# Altium PCB tnb_mns_control.PcbDoc (part 2 of 3)
Units mm, origin at the board's own origin, x right, y up, seen from the top; angles counter-clockwise.
Board outline 165 x 187 mm, 4 copper layers (Top Layer, Int1 (GND), Int2 (PWR), Bottom Layer), stack 1.369 mm thick; 150 components, 152 nets, 724 pads, 366 vias.
Unrouted connection lines stored in the file: 52.
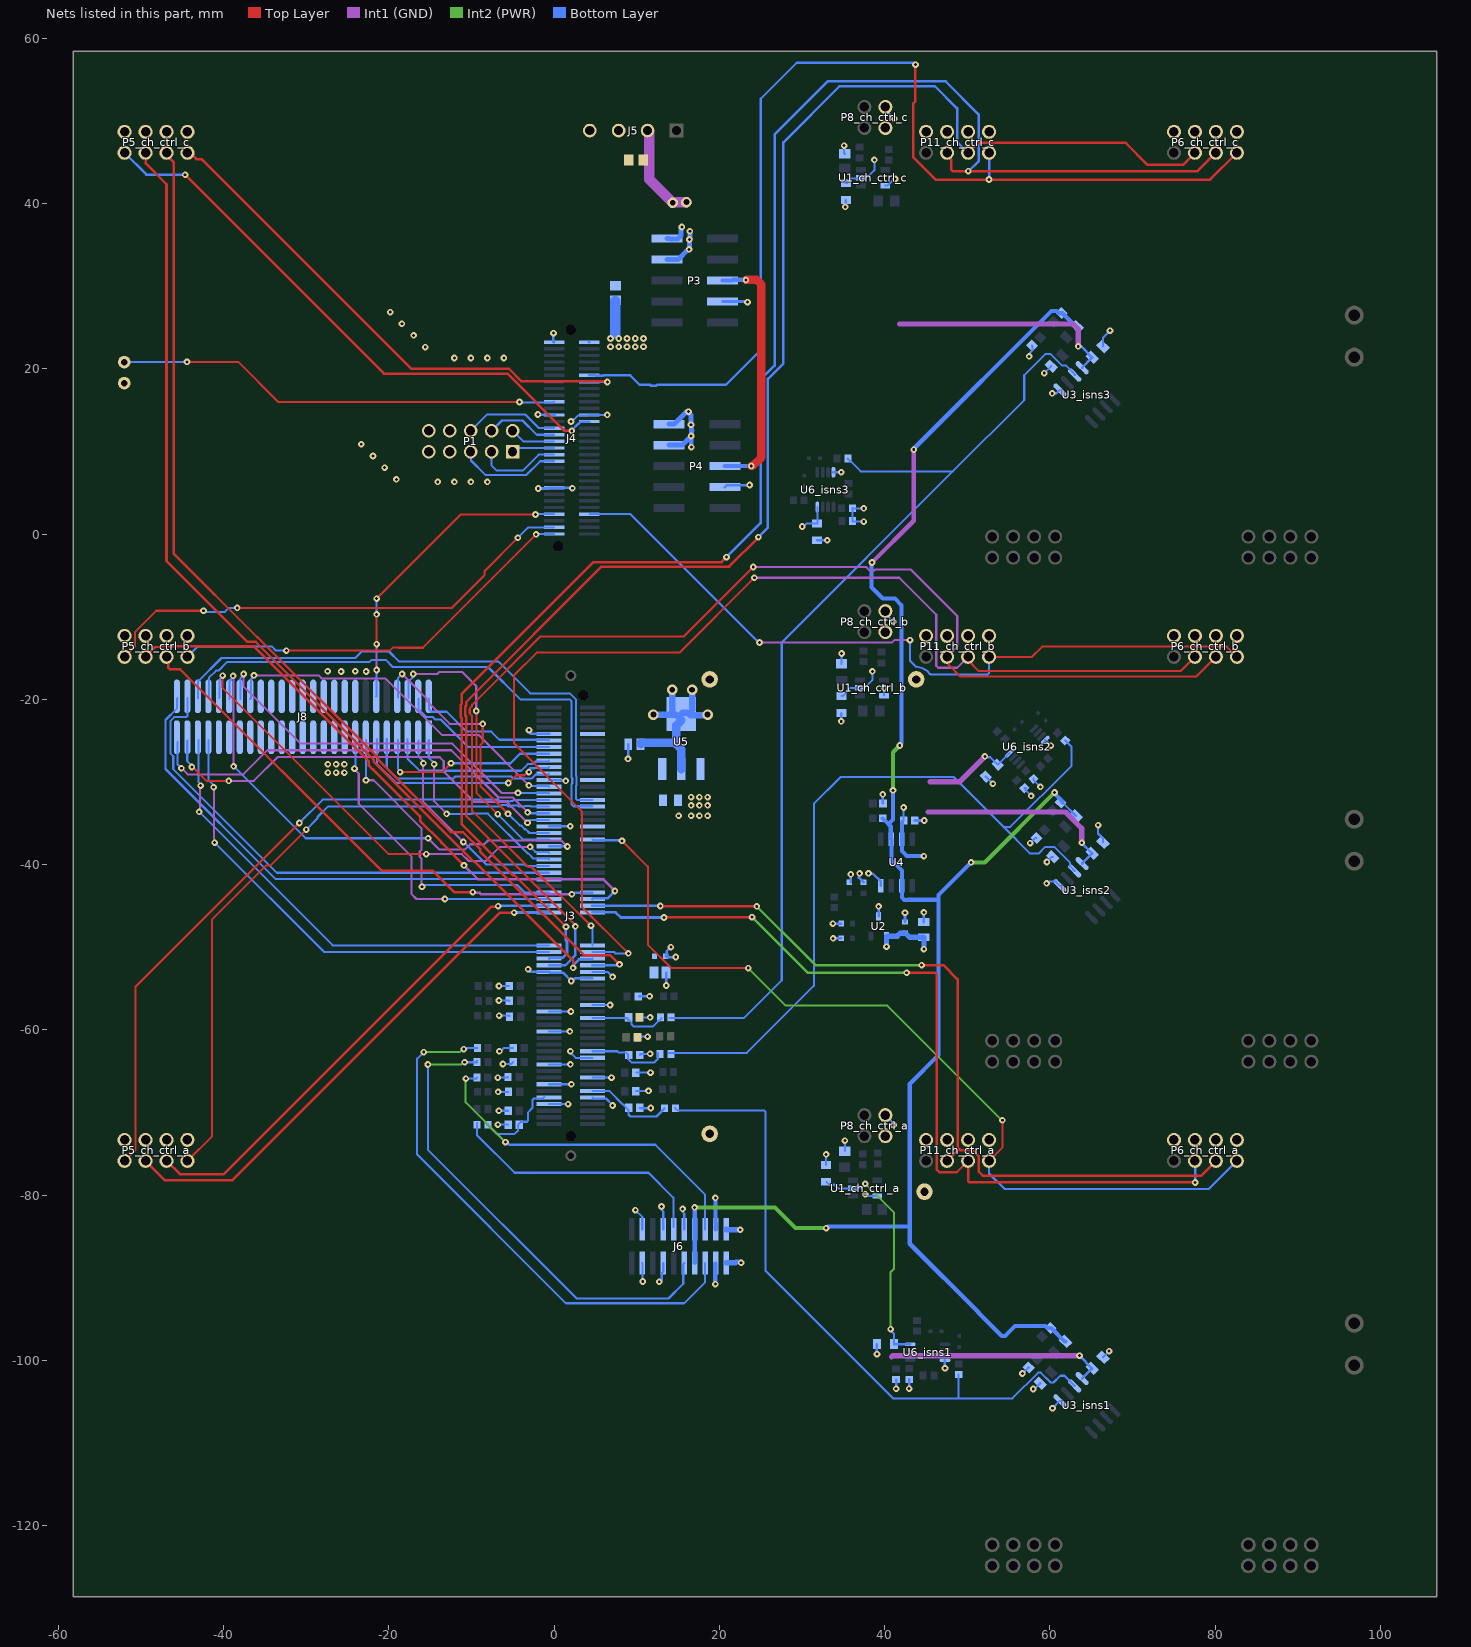
[diagram p4: the nets of this part, all layers, seen from the top]

## Via types
v1: diameter 0.8, hole 0.35, Top Layer to Bottom Layer, 156 vias
v2: diameter 0.8, hole 0.35, Top Layer to Bottom Layer, tented both sides, 149 vias
v3: diameter 1.27, hole 0.711, Top Layer to Bottom Layer, 55 vias
v4: diameter 5, hole 5, Top Layer to Bottom Layer, 6 vias

## Nets (pads, with @x,y where several pads share a name; then routed paths per layer and width w, separated by ;. In a path a pad name is that pad's centre, name@x,y a point inside that pad or via, vN(x,y) a via of type N, cw(c..) or ccw(c..) an arc to the next point about the centre after c; other vN are vias at no path point) (continued)
+3.3: C20.1 J6.3 J6.4 J8.34 J8.35 J8.36 J8.37 J8.38 J8.39 J8.40 J8.41 J8.42 J8.43 P3.6 P4.6 P5_ch_ctrl_a.2 P5_ch_ctrl_a.4 P5_ch_ctrl_b.2 P5_ch_ctrl_b.4 P5_ch_ctrl_c.2 P5_ch_ctrl_c.4 P6_ch_ctrl_a.2 P6_ch_ctrl_a.4 P6_ch_ctrl_b.2 P6_ch_ctrl_b.4 P6_ch_ctrl_c.2 P6_ch_ctrl_c.4 P11_ch_ctrl_a.2 P11_ch_ctrl_a.4 P11_ch_ctrl_b.2 P11_ch_ctrl_b.4 P11_ch_ctrl_c.2 P11_ch_ctrl_c.4 U5.2 U5.4 W1.1 W1.2 W2.1 W2.2 | length 60.7
  Top Layer w1: v1@23.253,30.785 24.498,30.785 25.084,30.199 25.084,9.295 24.022,8.233 v1(23.865,8.233)
  Bottom Layer w0.254: U5.4@16.323,-21.628 U5.4@16.704,-21.247
  Bottom Layer w0.305: J6.4@19.5,-88.262 19.555,-88.207 J6.4@19.555,-88.191
  Bottom Layer w0.508: J6.4@19.5,-88.262 19.5,-90.737 v1(19.525,-90.762) ; v1(19.525,-80.337) 19.55,-80.362 19.55,-83.337 19.555,-83.342 J6.3@19.555,-84.127 ; P3.6@20.39,30.683 21.54,30.683 21.64,30.783 23.182,30.783 v1(23.216,30.748) ; P4.6@20.66,8.223 20.665,8.228 23.86,8.228 v1(23.865,8.233)
  Bottom Layer w0.762: v3(12.008,-21.853) 14.715,-21.853 U5.4@15.391,-22.529 ; U5.4@14.291,-21.501 v3(14.291,-18.834) ; U5.4@15.403,-21.779 15.403,-21.765 15.532,-21.636 16.095,-21.636 U5.4@16.42,-21.872 ; U5.4@16.42,-21.872 16.525,-21.949 16.534,-21.941 18.471,-21.941 v3(18.568,-21.843) ; U5.4@16.704,-21.247 v3(16.704,-18.834)
  Bottom Layer w1.016: C20.1@10.469,-25.438 10.469,-25.304 10.502,-25.271 11.063,-25.271 11.064,-25.27 14.799,-25.27 ; U5.4@15.391,-22.529 15.403,-22.541 14.799,-23.145 14.799,-25.438 15.403,-26.042 U5.2@15.403,-28.441
  other v1: -25.773,-16.636 -22.74,-16.636 -27.414,-16.608 -24.062,-16.608
+3ref: C1_isns1.2 C1_isns2.2 C1_isns3.2 C4.1 J6.7 J6.8 R5_isns1.2 R5_isns2.2 R5_isns3.2 U4.2 U4.6 | length 218.6
  Int1 (GND) w0.508: v2(38.472,-3.442) 43.525,1.611 v2(43.525,10.213)
  Int2 (PWR) w0.508: v1(17.013,-81.478) 17.023,-81.487 26.725,-81.487 29.225,-83.987 v1(32.925,-83.987) ; v2(41.012,-31.026) 41.012,-26.4 v2(41.825,-25.587) ; v2(50.461,-39.738) 52.116,-39.738 v2(60.58,-31.274)
  Bottom Layer w0.254: R5_isns2.2@61.54,-32.497 C1_isns2.2@63.161,-34.118
  Bottom Layer w0.508: v1@17.014,-81.479 17.014,-84.877 17.025,-84.887 17.015,-84.897 J6.8@17.015,-88.191 ; v1(32.925,-83.987) 33.125,-83.787 43.044,-83.787 ; v2(38.472,-3.442) 38.396,-3.518 38.396,-6.439 39.768,-7.81 41.241,-7.81 42.054,-8.623 42.054,-25.359 v2(41.825,-25.587) ; C4.1@39.764,-34.411 40.461,-35.108 ; v2(41.012,-31.026) 41.012,-34.557 40.461,-35.108 ; v2(43.525,10.213) 43.581,10.269 43.581,10.389 60.18,26.988 60.808,26.988 61.068,26.728 61.536,26.728 63.165,25.1 C1_isns3.2@63.285,25.1 ; v2(50.461,-39.738) 46.524,-43.675 46.524,-44.259 ; v2(60.58,-31.274) 60.636,-31.33 60.636,-31.477 61.54,-32.381 R5_isns2.2@61.54,-32.497 ; C1_isns1.2@61.889,-97.705 61.779,-97.705 60.168,-96.095 R5_isns1.2@60.058,-96.095 59.71,-96.095 59.449,-95.834 55.792,-95.834 54.588,-97.038 54.167,-97.038 51.393,-94.264 51.393,-94.227 43.044,-85.878 43.044,-83.787 ; 40.461,-35.108 40.744,-35.391 40.744,-36.849 U4.6@40.815,-36.92 40.815,-39.593 41.112,-39.891 41.241,-39.891 42.085,-40.735 U4.2@42.085,-42.57 42.085,-43.999 42.382,-44.297 42.803,-44.297 42.841,-44.259 46.524,-44.259 ; 43.044,-83.787 43.044,-66.545 46.524,-63.065 46.524,-44.259
+5: C12.2 C14.2 C19.2 J3.48 J3.84 J3.98 J3.112 J4.38 J4.60 J5.4 R7.1 U5.3 | length 7.6
  Bottom Layer w0.254: v1(2.039,13.618) 2.156,13.618 2.875,14.337 4.196,14.337 J4.38@4.273,14.414 5.324,14.414 5.35,14.388 6.39,14.388 v1(6.43,14.428) ; J4.60@4.175,23.291 4.251,23.215 J4.60@4.273,23.215 J4.60@4.221,23.163 ; J3.48@4.643,-52.982 6.47,-52.982 v1(7.075,-53.587)
  other v1: -14.075,6.313 -12.075,6.313 -10.075,6.313 -8.075,6.313 -19.091,6.623 -20.505,8.038 -21.919,9.452 -23.334,10.866 -12.075,21.313 -10.075,21.313 -8.075,21.313 -6.075,21.313 -15.591,22.623 -17.005,24.038 -18.419,25.452 -19.834,26.866
+5A: c5.1 C9.2 C10.1 C11_ch_ctrl_a.1 C11_ch_ctrl_b.1 C11_ch_ctrl_c.1 C13_isns1.1 C13_isns2.1 C13_isns3.1 C24_isns1.2 C24_isns2.2 C24_isns3.2 J6.1 J6.2 P8_ch_ctrl_a.4 P8_ch_ctrl_b.4 P8_ch_ctrl_c.4 R7.2 U1_ch_ctrl_a.2 U1_ch_ctrl_b.2 U1_ch_ctrl_c.2 U2.1 U3_isns1.8 U3_isns2.8 U3_isns3.8 U4.7 U6_isns1.8 U6_isns2.8 U6_isns3.8 | length 158
  Int1 (GND) w0.635: 40.825,-99.587 40.989,-99.424 v2(63.587,-99.424) ; 41.825,25.413 62.825,25.413 63.43,24.808 v2(63.43,22.712) ; 45.277,-33.645 61.883,-33.645 63.849,-35.612 v2(63.849,-37.361) ; 45.525,-29.987 49.041,-29.987 v2(52.127,-26.902)
  Int2 (PWR) w0.254: v2(37.659,-78.626) 41.157,-82.123 41.157,-88.883 40.734,-89.307 v2(40.734,-96.215)
  Bottom Layer w0.254: v2(30.025,0.913) 30.173,0.913 30.562,1.302 C13_isns3.1@31.842,1.302 31.857,1.317 U6_isns3.8@31.857,3.282 ; C11_ch_ctrl_a.1@32.948,-78.394 33.299,-78.745 33.935,-78.745 34.374,-79.184 36.134,-79.184 U1_ch_ctrl_a.2@36.159,-79.159 36.184,-79.134 37.151,-79.134 v2(37.659,-78.626) ; C11_ch_ctrl_b.1@34.789,-19.612 34.914,-19.612 35.678,-18.848 35.678,-18.754 35.827,-18.605 U1_ch_ctrl_b.2@36.997,-18.605 37.195,-18.407 37.772,-18.407 38.51,-17.67 v2(38.51,-16.624) ; C11_ch_ctrl_c.1@35.297,42.491 35.422,42.491 35.773,42.842 35.773,42.897 35.922,43.046 37.054,43.046 U1_ch_ctrl_c.2@37.124,43.117 37.322,43.315 38.035,43.315 38.753,44.032 v2(38.753,45.283) ; v2(40.734,-96.215) 40.734,-96.362 41.123,-96.752 C13_isns1.1@41.123,-98.031 41.138,-98.047 U6_isns1.8@43.103,-98.047 ; c5.1@42.085,-34.879 c5.1@42.299,-34.665 v2(42.299,-33.088) ; v2(52.127,-26.902) 52.231,-27.006 52.781,-27.006 C13_isns2.1@53.686,-27.911 53.708,-27.911 U6_isns2.8@55.098,-26.522
  Bottom Layer w0.305: v2(63.43,22.712) 63.469,22.673 63.815,22.673 C24_isns3.2@65.118,21.37 65.118,21.343 U3_isns3.8@63.905,20.129 ; v2(63.587,-99.424) C24_isns1.2@65.118,-100.955 65.118,-100.982 U3_isns1.8@63.905,-102.196 ; v2(63.849,-37.361) C24_isns2.2@65.118,-38.63 65.118,-38.657 U3_isns2.8@63.905,-39.871
  Bottom Layer w0.508: c5.1@42.085,-34.879 U4.7@42.085,-36.92 42.085,-38.372 42.688,-38.976 v2(44.753,-38.976)
  Bottom Layer w0.635: J6.2@20.825,-88.191 21.921,-88.191 22.025,-88.087 22.525,-88.087 v1(22.625,-88.187) ; J6.1@20.825,-84.127 20.825,-84.18 20.833,-84.187 22.523,-84.187 v1(22.528,-84.192) ; v2(40.228,-49.92) U2.1@40.228,-48.663 41.515,-48.663 41.877,-48.301 42.458,-48.301 C10.1@42.466,-48.294 42.491,-48.294 42.995,-48.798 C9.2@44.752,-48.798 v2(44.752,-50.222)
  Bottom Layer w1.27: R7.2@7.399,28.183 7.411,28.171 7.411,24.289
  other v2: 6.825,22.663 7.825,22.663 8.825,22.663 9.825,22.663 10.825,22.663 6.825,23.663 7.825,23.663 8.825,23.663 9.825,23.663 10.825,23.663
+12: J5.2 P3.7 P3.9 P4.7 P4.9 | length 30.8
  Int1 (GND) w1.27: J5.2@11.315,48.833 11.315,48.73 11.515,48.53 11.515,42.943 v3(14.361,40.097) 14.447,40.183 v3(16.015,40.183)
  Bottom Layer w0.6: P3.7@13.64,33.223 15.015,33.223 16.25,34.458 v1(16.34,34.458) 16.363,34.481 v1(16.363,35.642) 16.438,35.717 v1(16.438,36.642) ; P3.9@13.64,35.763 13.935,35.763 14.015,35.683 14.935,35.683 15.363,36.11 15.363,37.055 v1(15.465,37.158) ; P4.7@13.91,10.763 15.485,10.763 v1(16.585,11.863) ; P4.9@13.91,13.303 14.51,13.303 16.027,14.819 v1@16.146,14.819 ; v1(16.264,14.819) v1@16.146,14.819 ; v1(16.613,10.517) 16.599,10.531 16.599,11.849 v1(16.585,11.863) ; v1@16.146,14.819 16.146,14.812 16.564,14.393 v1(16.564,13.23) 16.62,13.174 16.62,12.569 16.671,12.517 16.641,12.487 16.641,11.919 v1(16.585,11.863)
AGND: "10nF 0603_isns1.1" "10nF 0603_isns2.1" "10nF 0603_isns3.1" C2_isns1.1 C2_isns2.1 C2_isns3.1 C3.1 c5.2 C6.1 C7.1 C8.1 C9.1 C10.2 C11_ch_ctrl_a.2 C11_ch_ctrl_b.2 C11_ch_ctrl_c.2 C13_isns1.2 C13_isns2.2 C13_isns3.2 C15.1 C16.1 C17.1 C18.1 C21.1 C22.1 C23.1 C24_isns1.1 C24_isns2.1 C24_isns3.1 C25.1 C26.1 C27.1 C28.1 C29.1 C30.1 C31.1 C32.1 C33.1 C34.1 C35.1 J3.7 J3.10 J3.13 J3.16 J3.19 J3.22 J3.29 J3.35 J3.38 J6.9 J6.13 J6.14 J6.17 J6.18 P8_ch_ctrl_a.1 P8_ch_ctrl_b.1 P8_ch_ctrl_c.1 R4_ch_ctrl_a.1 R4_ch_ctrl_b.1 R4_ch_ctrl_c.1 R6_isns1.1 R6_isns2.1 R6_isns3.1 R9.1 R16_isns1.1 R16_isns2.1 R16_isns3.1 R33.2 U1_ch_ctrl_a.5 U1_ch_ctrl_b.5 U1_ch_ctrl_c.5 U2.3 U3_isns1.5 U3_isns2.5 U3_isns3.5 U4.4 U6_isns1.4 U6_isns2.4 U6_isns3.4 | length 119
  Top Layer w0.254: v2(2.086,-66.582) v2@2.226,-66.722 ; v2@60.195,-105.785 v2(60.316,-105.785)
  Bottom Layer w0.254: v1(-6.817,-65.775) -5.64,-65.775 C34.1@-5.576,-65.711 ; v1(-6.802,-71.472) -5.585,-71.472 C16.1@-5.571,-71.486 ; v1(-6.778,-67.511) -5.53,-67.511 C21.1@-5.515,-67.496 ; v1(-6.677,-69.787) C17.1@-5.567,-69.787 ; v1(-6.677,-56.452) -5.441,-56.452 C25.1@-5.407,-56.486 ; v1(-6.675,-54.687) -6.63,-54.643 -6.42,-54.643 -6.375,-54.687 C26.1@-5.45,-54.687 ; v1(-6.659,-58.281) -5.44,-58.281 C23.1@-5.397,-58.323 ; v1(-6.624,-62.582) -6.476,-62.582 -6.081,-62.187 C33.1@-4.95,-62.187 ; v1(-6.193,-64.125) -5.188,-64.125 C35.1@-4.95,-63.887 ; J3.7@-0.607,-68.982 v2(1.696,-68.982) ; J3.13@-0.607,-66.582 v2(2.086,-66.582) ; J3.19@-0.607,-64.182 v2(1.968,-64.182) ; J3.29@-0.607,-60.182 v2(1.909,-60.182) ; J3.35@-0.607,-57.782 v2(2.023,-57.782) ; v1(1.975,-62.583) 1.975,-62.738 2.62,-63.382 J3.22@4.643,-63.382 ; J3.10@4.643,-68.182 4.766,-68.305 6.279,-68.305 7.083,-69.109 v2(7.083,-69.156) ; J3.16@4.643,-65.782 v2(6.951,-65.782) ; J3.38@4.643,-56.982 4.648,-56.987 6.776,-56.987 v2(6.781,-56.993) ; v1(9.842,-81.811) 10.665,-82.634 J6.17@10.665,-84.127 ; C22.1@9.942,-67.381 v2(11.422,-67.381) ; C18.1@9.963,-65.173 v2(11.67,-65.173) ; C28.1@10.046,-60.928 10.161,-60.812 v2(11.312,-60.812) ; C31.1@10.253,-55.927 10.26,-55.935 v2(11.566,-55.935) ; C15.1@10.359,-69.434 10.472,-69.434 10.525,-69.487 11.661,-69.487 v1(11.696,-69.452) ; C30.1@10.359,-58.475 10.513,-58.475 10.525,-58.487 v1(11.625,-58.487) ; C27.1@10.378,-63.035 10.505,-62.908 11.605,-62.908 v1(11.625,-62.887) ; J6.18@10.665,-88.191 10.698,-88.224 10.698,-90.415 v1(10.73,-90.447) ; v1(12.725,-90.487) 12.825,-90.487 13.025,-90.287 13.025,-89.449 13.087,-89.387 13.125,-89.387 13.205,-89.307 J6.14@13.205,-88.191 ; v1(12.992,-81.382) 12.992,-81.755 13.205,-81.967 J6.13@13.205,-84.127 ; v1(15.56,-81.658) 15.56,-82.022 15.745,-82.207 J6.9@15.745,-84.127 ; C11_ch_ctrl_a.2@32.928,-76.334 v2(32.928,-75.073) ; v2(34.745,-22.674) 34.745,-21.707 C11_ch_ctrl_b.2@34.789,-21.662 ; R4_ch_ctrl_b.1@34.789,-15.698 v2(34.789,-14.453) ; v2(35.092,47.013) 35.092,46.102 R4_ch_ctrl_c.1@35.17,46.024 ; R4_ch_ctrl_a.1@35.181,-74.663 v2(35.181,-73.398) ; v2(35.24,39.587) 35.289,39.635 35.289,39.806 35.297,39.815 C11_ch_ctrl_c.2@35.297,40.441 ; v1(37.471,3.102) 36.144,3.102 36.098,3.147 36.098,1.598 R16_isns3.1@36.124,1.572 36.183,1.513 v1(37.475,1.513) ; v2(37.646,-79.88) 37.715,-79.88 37.944,-80.109 U1_ch_ctrl_a.5@39.109,-80.109 ; v2(39.768,-31.509) 39.768,-32.576 R9.1@39.801,-32.609 ; U1_ch_ctrl_b.5@39.947,-19.555 v2(39.947,-18.634) ; U1_ch_ctrl_c.5@40.074,42.167 40.349,42.167 41.152,42.969 v2(41.268,42.969) ; P8_ch_ctrl_a.1@40.09,-70.322 41.071,-71.303 v2(41.071,-71.512) ; P8_ch_ctrl_b.1@40.095,-9.317 40.095,-9.637 v2(41.06,-10.602) ; P8_ch_ctrl_c.1@40.095,51.683 40.095,51.366 v2(41.184,50.277) ; v2(56.677,-101.583) 57.381,-100.88 R6_isns1.1@57.438,-100.88 ; R16_isns2.1@56.905,-30.748 57.086,-30.748 57.125,-30.787 57.056,-30.856 57.056,-31.018 v1(57.725,-31.687) ; v2(57.48,21.508) 57.585,21.612 57.585,21.956 57.875,22.247 57.875,22.774 R6_isns3.1@57.84,22.81 ; v2(57.602,-37.396) 58.208,-36.789 R6_isns2.1@58.38,-36.789 ; v2(57.98,-103.464) 58.029,-103.416 58.179,-103.416 C2_isns1.1@58.834,-102.761 ; 58.001,-29.616 58.001,-29.75 v1(58.847,-30.596) ; v2(59.316,19.477) C2_isns3.1@60.162,20.323 ; v2(59.605,-42.278) 59.674,-42.278 59.882,-42.07 60.716,-42.07 U3_isns2.5@61.211,-42.565 ; v2(59.634,-39.682) 60.246,-39.07 C2_isns2.1@60.343,-39.07 ; v2(60.289,17.028) 60.804,17.028 U3_isns3.5@61.211,17.435 ; v2(60.316,-105.785) U3_isns1.5@61.211,-104.89 ; v2(65.828,-35.217) 65.828,-36.231 66.426,-36.83 C24_isns2.1@66.426,-37.322 ; C24_isns1.1@66.426,-99.647 66.426,-99.606 v2(67.161,-98.872) ; C24_isns3.1@66.426,22.678 66.426,23.775 v2(67.277,24.626)
  Bottom Layer w0.305: C13_isns3.2@31.842,-0.748 v2(33.052,-0.748) ; v2(33.745,-47.143) C8.1@34.769,-47.143 ; v2(33.77,-48.921) C6.1@34.769,-48.921 ; U6_isns3.4@33.807,7.482 v2(34.754,7.482) ; C3.1@35.906,-42.116 v2(35.906,-41.187) ; v2(36.982,-41.061) 36.982,-41.116 36.889,-41.209 36.889,-41.575 37.43,-42.116 C7.1@37.455,-42.116 ; v2(38.042,-41.067) 38.081,-41.106 38.581,-41.106 39.545,-42.07 U4.4@39.545,-42.57 ; v2(39.073,-99.241) C13_isns1.2@39.073,-98.031 ; U2.3@39.278,-46.263 v2(39.278,-45.049) ; v2(41.393,-103.431) R16_isns1.1@41.393,-102.313 ; C10.2@42.466,-46.944 v2(42.466,-45.831) ; v2(42.968,-103.416) 42.968,-102.288 ; c5.2@43.649,-34.665 v2(44.799,-34.665) ; C9.1@44.752,-46.948 v2(44.752,-45.78) ; v2(47.303,-100.944) U6_isns1.4@47.303,-99.997 ; C13_isns2.2@52.237,-29.361 v2(53.092,-30.216) ; U6_isns2.4@59.446,-24.931 v2(60.116,-25.6)
brdg_en_cha: J3.80 P6_ch_ctrl_a.1 P11_ch_ctrl_a.1 | length 108.7
  Top Layer w0.254: v2(8.221,-37.131) 11.345,-40.256 11.345,-49.679 14.203,-52.537 23.493,-52.537 v2(23.497,-52.533) ; P11_ch_ctrl_a.1@52.864,-75.883 52.838,-75.857 P11_ch_ctrl_a.1@52.635,-75.857 54.246,-74.247 v2(54.246,-70.939)
  Int2 (PWR) w0.254: v2(23.497,-52.533) 28.035,-57.072 40.328,-57.072 54.195,-70.939 v2(54.246,-70.939)
  Bottom Layer w0.254: J3.80@4.643,-36.982 4.718,-37.057 8.146,-37.057 v2(8.221,-37.131) ; P11_ch_ctrl_a.1@52.635,-75.857 52.635,-77.381 54.516,-79.262 79.231,-79.262 P6_ch_ctrl_a.1@82.635,-75.857
brdg_en_chb: J4.8 P6_ch_ctrl_b.1 P11_ch_ctrl_b.1 | length 91.1
  Top Layer w0.254: P11_ch_ctrl_b.1@52.635,-14.857 57.841,-14.857 59.072,-13.626 81.404,-13.626 P6_ch_ctrl_b.1@82.635,-14.857
  Int1 (GND) w0.254: v2(24.863,-13.123) 24.884,-13.102 40.906,-13.102 41.179,-12.829 v2(43.07,-12.829)
  Bottom Layer w0.254: J4.8@4.273,2.413 9.252,2.413 24.788,-13.123 v2(24.863,-13.123) ; v2(43.07,-12.829) 43.07,-15.329 43.729,-15.988 43.79,-16.05 cw(c43.611,-16.23) 43.792,-16.052 cw(c43.544,-18.727) 44.96,-16.443 cw(c44.088,-17.85) 45.426,-16.876 ccw(c45.631,-16.726) 45.497,-16.941 45.558,-16.98 45.631,-16.98 52.486,-16.98 52.635,-16.831 P11_ch_ctrl_b.1@52.635,-14.857
brdg_en_chc: J4.50 P6_ch_ctrl_c.1 P11_ch_ctrl_c.1 | length 130.2
  Top Layer w0.305: v2(43.73,56.807) 43.73,52.369 43.451,52.09 43.451,45.611 46.17,42.891 79.384,42.891 P6_ch_ctrl_c.1@82.52,46.028
  Bottom Layer w0.305: J4.50@4.273,19.215 4.989,19.215 5.04,19.164 5.04,19.133 5.868,19.133 5.949,19.215 9.208,19.215 10.365,18.058 11.625,18.058 11.706,17.976 12.374,17.976 12.456,18.058 20.771,18.058 25.008,22.295 25.008,52.676 29.368,57.036 43.45,57.036 43.678,56.807 v2(43.73,56.807) ; v1(52.625,42.913) 52.635,42.923 P11_ch_ctrl_c.1@52.635,46.143 ; P6_ch_ctrl_c.1@82.52,46.028 P6_ch_ctrl_c.1@82.52,46.034
brdg_en_chd: J3.99 J8.5 | length 24.1
  Bottom Layer w0.254: J8.5@-20.255,-24.817 -20.255,-28.287 -18.948,-29.593 -12.205,-29.593 -11.953,-29.342 -5.209,-29.342 -4.958,-29.593 -2.731,-29.593 -2.243,-29.105 -0.73,-29.105 J3.99@-0.607,-28.982
brdg_en_che: J3.103 J8.3 | length 20.6
  Bottom Layer w0.254: J8.3@-17.734,-24.823 -17.734,-27.178 -16.275,-28.637 -3.984,-28.637 -3.184,-27.837 -2.575,-27.837 -2.289,-27.551 -2.153,-27.551 -2.107,-27.505 -0.73,-27.505 J3.103@-0.607,-27.382
brdg_en_chf: J3.107 J8.49 | length 19
  Bottom Layer w0.254: J8.49@-16.388,-19.902 -16.388,-21.238 -16.116,-21.51 -16.089,-21.51 -15.437,-22.161 -14.647,-22.161 -14.371,-22.437 -13.7,-22.437 -10.355,-25.782 J3.107@-0.607,-25.782
brdg_h_chd: J3.61 J8.8 | length 38.5
  Int1 (GND) w0.254: v1(-24.16,-28.393) -24.16,-28.464 -23.643,-28.98 -23.643,-32.644 -17.275,-39.012 -17.275,-43.537 -16.65,-44.162 v1(-13.225,-44.162)
  Bottom Layer w0.254: v1(-24.16,-28.393) -24.16,-28.245 -24.013,-28.098 J8.8@-24.013,-24.916 ; v1(-13.225,-44.162) -13.205,-44.182 J3.61@-0.607,-44.182
brdg_l_chd: J3.63 J8.7 | length 37.1
  Int1 (GND) w0.254: v1(-22.758,-29.795) -21.842,-29.795 -16.056,-35.581 -16.056,-38.214 -16.256,-38.414 -16.256,-39.061 -16.056,-39.261 -16.056,-42.608 v1(-15.986,-42.678)
  Bottom Layer w0.254: v1(-22.758,-29.795) -22.742,-29.78 J8.7@-22.742,-24.906 ; v1(-15.986,-42.678) -15.77,-42.462 -4.45,-42.462 -3.53,-43.382 J3.63@-0.607,-43.382
brdg_state_chd: J3.101 J8.6 | length 25.8
  Top Layer w0.254: v1(-5.533,-30.123) -4.602,-29.192 -3.582,-29.192 -3.202,-28.812 v1(-3.054,-28.812)
  Bottom Layer w0.254: J8.6@-21.441,-24.814 -21.441,-27.819 -19.137,-30.123 v1(-5.533,-30.123) ; v1(-3.054,-28.812) -2.95,-28.708 -2.95,-28.391 -2.904,-28.345 -2.364,-28.345 -2.324,-28.305 -0.73,-28.305 J3.101@-0.607,-28.182
brdg_state_che: J3.105 J8.4 | length 23
  Top Layer w0.254: v1(-18.625,-28.812) -13.55,-28.812 v1(-12.475,-27.737)
  Bottom Layer w0.254: J8.4@-18.899,-24.904 -18.899,-28.391 -18.625,-28.665 v1(-18.625,-28.812) ; v1(-12.475,-27.737) -5.275,-27.737 -4.12,-26.582 J3.105@-0.607,-26.582
brdg_state_chf: J3.109 J8.50 | length 17.4
  Bottom Layer w0.254: J8.50@-15.119,-19.922 -15.119,-21.237 -14.856,-21.5 -13.012,-21.5 -10.6,-23.912 -7.6,-23.912 -6.625,-24.887 -0.702,-24.887 J3.109@-0.607,-24.982
brgd_h_cha: J3.60 P6_ch_ctrl_a.3 P11_ch_ctrl_a. | length 104.9
  Top Layer w0.305: v2(12.869,-45.005) 12.894,-45.031 24.502,-45.031 v2(24.528,-45.056) ; v2(44.484,-52.174) 47.114,-52.174 48.825,-53.885 48.825,-74.206 ; P11_ch_ctrl_a.@47.555,-75.857 48.825,-74.587 48.825,-74.206 ; P6_ch_ctrl_a.3@80.095,-75.857 78.286,-77.666 51.904,-77.666 51.469,-77.231 51.38,-77.142 51.38,-75.905 cw(c52.635,-75.857) 51.38,-75.81 51.38,-75.277 50.744,-74.641 50.654,-74.552 50.327,-74.552 cw(c50.095,-73.317) 49.863,-74.552 49.171,-74.552 49.082,-74.463 48.825,-74.206
  Int2 (PWR) w0.305: v2(24.528,-45.056) 30.665,-51.194 31.645,-52.174 v2(44.484,-52.174)
  Bottom Layer w0.305: J3.60@4.643,-44.982 4.655,-44.994 12.857,-44.994 v2(12.869,-45.005)
brgd_h_chb: J3.56 P6_ch_ctrl_b.3 P11_ch_ctrl_b.5 | length 144.3
  Top Layer w0.254: v2(4.462,-47.393) 0.823,-43.754 0.721,-43.754 -2.74,-40.293 -3.126,-40.293 -9.92,-33.499 -9.92,-22.021 -10.206,-21.736 -10.206,-21.089 -9.92,-20.803 -9.92,-20.651 -1.665,-12.396 15.68,-12.396 v2(24.095,-3.981) ; P11_ch_ctrl_b.5@47.555,-14.857 47.743,-15.045 47.743,-15.811 49.166,-17.234 77.719,-17.234 P6_ch_ctrl_b.3@80.095,-14.857
  Int1 (GND) w0.254: v2(24.095,-3.981) 37.758,-3.981 38.209,-4.432 38.735,-4.432 38.874,-4.293 43.166,-4.293 48.786,-9.914 48.786,-13.626 P11_ch_ctrl_b.5@47.555,-14.857
  Bottom Layer w0.254: v2(4.462,-47.393) 4.462,-47.541 4.643,-47.722 J3.56@4.643,-49.782
brgd_h_chc: J3.51 P6_ch_ctrl_c.3 P11_ch_ctrl_c.5 | length 203.4
  Top Layer w0.305: v2(1.439,-47.52) -4.82,-41.261 -5.026,-41.261 -11.19,-35.096 -11.19,-22.296 -11.298,-22.188 -11.298,-20.636 -11.19,-20.529 -11.19,-19.338 4.765,-3.383 20.275,-3.383 v1(20.865,-2.792) ; P11_ch_ctrl_c.5@47.555,45.765 48.051,45.269 48.051,44.109 48.229,43.931 77.883,43.931 P6_ch_ctrl_c.3@79.864,45.911
  Bottom Layer w0.305: J3.51@-0.607,-51.382 -0.509,-51.285 1.039,-51.285 1.561,-50.763 1.561,-49.27 1.439,-49.147 v2(1.439,-47.52) ; v1(20.865,-2.792) 24.99,1.333 24.99,18.686 26.685,20.381 26.685,48.352 33.108,54.775 47.394,54.775 51.311,50.859 51.4,50.769 51.4,48.913 ccw(c52.635,48.683) 51.4,48.453 51.4,46.373 ccw(c52.635,46.143) 51.4,45.913 51.4,45.136 50.177,43.913 v1(50.125,43.913) ; P11_ch_ctrl_c.5@47.555,45.765 P11_ch_ctrl_c.5@47.555,46.143 ; P6_ch_ctrl_c.3@79.864,45.911 P6_ch_ctrl_c.3@80.089,45.911
brgd_l_cha: J3.58 P6_ch_ctrl_a.5 P11_ch_ctrl_a.3 | length 105.5
  Top Layer w0.305: v2(13.301,-46.402) 13.326,-46.377 23.918,-46.377 v2(23.943,-46.352) ; v2(42.67,-53.083) 46.107,-53.083 46.285,-53.262 46.285,-76.899 46.615,-77.229 48.724,-77.229 P11_ch_ctrl_a.3@50.095,-75.857 50.095,-78.27 50.274,-78.448 77.556,-78.448 v2(77.581,-78.473)
  Int2 (PWR) w0.305: v2(23.943,-46.352) 30.675,-53.083 v2(42.67,-53.083)
  Bottom Layer w0.305: J3.58@4.643,-45.782 7.456,-45.782 8.076,-46.402 v2(13.301,-46.402) ; P6_ch_ctrl_a.5@77.555,-75.857 77.568,-75.87 77.568,-78.46 v2(77.581,-78.473)
brgd_l_chb: J3.54 P6_ch_ctrl_b.5 P11_ch_ctrl_b.3 | length 141.4
  Top Layer w0.254: v2(8.983,-50.746) 3.365,-45.128 3.365,-33.552 -4.85,-25.337 -4.85,-17.104 -2.097,-14.352 15.175,-14.352 v2(24.243,-5.284) ; P11_ch_ctrl_b.3@50.095,-14.857 50.095,-15.249 50.41,-15.564 50.41,-15.608 51.35,-16.548 75.865,-16.548 P6_ch_ctrl_b.5@77.555,-14.857
  Int1 (GND) w0.254: v2(24.243,-5.284) 41.769,-5.284 46.246,-9.761 46.246,-15.933 46.493,-16.18 48.772,-16.18 P11_ch_ctrl_b.3@50.095,-14.857
  Bottom Layer w0.254: J3.54@4.643,-50.582 7.242,-50.582 7.406,-50.746 v2(8.983,-50.746)
brgd_l_chc: J3.49 P6_ch_ctrl_c.5 P11_ch_ctrl_c.3 | length 193
  Top Layer w0.305: v2@2.582,-47.342 -10.632,-34.129 -10.632,-22.064 -10.739,-21.957 -10.739,-20.868 -10.632,-20.76 -10.632,-20.326 5.753,-3.942 21.191,-3.942 24.715,-0.417 v1(24.715,-0.367) ; P11_ch_ctrl_c.3@50.095,46.143 51.335,47.383 52.432,47.383 cw(c52.635,46.143) 52.838,47.383 69.127,47.383 69.216,47.293 71.825,44.685 76.097,44.685 P6_ch_ctrl_c.5@77.555,46.143
  Bottom Layer w0.305: J3.49@-0.607,-52.182 1.356,-52.182 2.582,-50.956 v2(2.582,-47.469) ; v1(24.715,-0.367) 25.865,0.783 25.865,18.771 27.739,20.644 27.739,47.406 34.524,54.191 46.093,54.191 48.713,51.571 48.802,51.482 48.802,48.836 cw(c47.555,48.683) 48.802,48.529 48.802,47.436 48.891,47.346 P11_ch_ctrl_c.3@50.095,46.143
bridge_h_che: J3.71 J8.2 | length 26.1
  Int1 (GND) w0.254: v1(-15.819,-27.736) -15.85,-27.768 -15.85,-32.387 v1(-10.975,-37.262)
  Bottom Layer w0.254: J8.2@-16.432,-24.991 -16.432,-26.854 -15.923,-27.363 -15.923,-27.632 v1(-15.819,-27.736) ; v1(-10.975,-37.262) -10.95,-37.262 -8.225,-39.987 -3.55,-39.987 -3.355,-40.182 J3.71@-0.607,-40.182
bridge_h_chf: J3.79 J8.48 | length 35.6
  Top Layer w0.254: v1(-9.425,-21.412) -9.412,-21.425 -9.412,-31.3 v1(-6.825,-33.887)
  Int1 (GND) w0.254: v1(-17.041,-16.939) -14.135,-16.939 -13.883,-16.687 -11.125,-16.687 -9.425,-18.387 v1(-9.425,-21.412)
  Bottom Layer w0.254: J8.48@-17.641,-19.815 -17.641,-17.889 -17.145,-17.393 -17.145,-17.044 v1(-17.041,-16.939) ; v1(-6.825,-33.887) -3.73,-36.982 J3.79@-0.607,-36.982
bridge_l_che: J3.73 J8.1 | length 24.6
  Int1 (GND) w0.254: v1(-14.525,-27.856) -14.525,-32.337 v1(-13,-33.862)
  Bottom Layer w0.254: J8.1@-15.168,-24.902 -15.168,-27.065 -14.525,-27.709 v1(-14.525,-27.856) ; v1(-13,-33.862) -10.074,-33.862 -10.048,-33.836 -8.031,-33.836 -3.223,-38.643 -3.119,-38.643 -2.503,-39.259 -0.73,-39.259 J3.73@-0.607,-39.382
bridge_l_chf: J3.81 J8.47 | length 33.8
  Top Layer w0.254: v1(-8.631,-22.962) -8.631,-25.239 -8.904,-25.512 -8.904,-30.533 v1(-5.575,-33.862)
  Int1 (GND) w0.254: v1(-18.395,-16.932) -15.458,-19.869 -15.458,-20.129 -12.625,-22.962 v1(-8.631,-22.962)
  Bottom Layer w0.254: J8.47@-18.871,-19.785 -18.892,-19.764 -18.892,-17.591 -18.871,-17.571 -18.871,-17.408 v1(-18.395,-16.932) ; v1(-5.575,-33.862) -4.176,-35.261 -4.006,-35.261 -3.548,-35.718 -3.444,-35.718 -2.98,-36.182 J3.81@-0.607,-36.182
buck_en_ch_ctrl_a: J3.89 P5_ch_ctrl_a.1 | length 77.3
  Top Layer w0.254: P5_ch_ctrl_a.1@-44.365,-75.857 -41.385,-72.878 -41.385,-46.631 -34.878,-40.124 -34.361,-40.124 v2(-30,-35.762)
  Bottom Layer w0.254: P5_ch_ctrl_a.1@-44.365,-75.857 P5_ch_ctrl_a.1@-44.352,-75.857 ; v2(-30,-35.762) -28.635,-34.398 -28.635,-34.242 -27.375,-32.982 -6.566,-32.982 -6.389,-32.806 -5.742,-32.806 -5.565,-32.982 -5.224,-32.982 -5.073,-32.831 -4.426,-32.831 -4.275,-32.982 -3.599,-32.982 -3.523,-32.906 -2.876,-32.906 -2.8,-32.982 J3.89@-0.607,-32.982
buck_en_ch_ctrl_b: J4.1 P5_ch_ctrl_b.1 | length 51
  Top Layer w0.254: v2(-32.4,-14.112) -19.877,-14.112 -19.509,-13.744 -18.862,-13.744 -18.843,-13.763 -15.893,-13.763 v2(-2.168,-0.038)
  Bottom Layer w0.254: P5_ch_ctrl_b.1@-44.365,-14.857 -43.095,-13.587 -34.175,-13.587 -33.65,-14.112 v2(-32.4,-14.112) ; v2(-2.168,-0.038) -2.143,-0.013 -0.013,-0.013 J4.1@0.013,0.013
buck_en_ch_ctrl_c: J4.48 P5_ch_ctrl_c.1 | length 64.5
  Top Layer w0.305: P5_ch_ctrl_c.1@-44.365,46.143 -44.04,46.143 -43.278,45.381 -42.669,45.381 -17.266,19.977 -5.428,19.977 -3.922,18.471 6.38,18.471 v2(6.443,18.408)
  Bottom Layer w0.305: J4.48@4.273,18.415 4.276,18.411 6.44,18.411 v2(6.443,18.408)
buck_en_chd: J3.85 J8.24 | length 52.8
  Top Layer w0.254: v1(-43.827,-28.187) -43.75,-28.187 -42.074,-29.863 v1(-39.375,-29.862) v1(-39.375,-29.862)
  Int1 (GND) w0.254: v1(-39.375,-29.862) -36.325,-29.862 -33.418,-26.955 -15.012,-26.955 -14.955,-27.012 -13.825,-27.012 -13.35,-27.487 -13.35,-28.737 -9.692,-32.395 -5.767,-32.395 v1(-3.225,-34.937)
  Bottom Layer w0.254: J8.24@-44.397,-24.959 -44.397,-27.474 -43.827,-28.044 v1(-43.827,-28.187) ; v1(-3.225,-34.937) -2.87,-34.582 J3.85@-0.607,-34.582
buck_en_che: J3.90 J8.29 | length 64.6
  Bottom Layer w0.254: J8.29@-41.779,-19.921 -41.779,-17.399 -40.9,-16.52 -40.615,-16.52 -39.597,-15.503 -22.37,-15.503 -22.085,-15.217 -20.385,-15.217 -19.515,-16.087 -8,-16.087 -4.075,-20.012 1.892,-20.012 2.105,-20.225 2.105,-29.449 2.197,-29.541 2.197,-30.188 2.105,-30.28 2.105,-32.692 2.35,-32.937 4.598,-32.937 J3.90@4.643,-32.982
buck_en_chf: J3.93 J8.32 | length 47
  Int1 (GND) w0.254: v1(-37.572,-16.93) -37.572,-18.466 -30.675,-25.362 -12.325,-25.362 -6.366,-31.321 v1(-4.37,-31.321)
  Bottom Layer w0.254: J8.32@-37.974,-19.942 -37.974,-17.451 -37.572,-17.049 v1(-37.572,-16.93) ; v1(-4.37,-31.321) -4.34,-31.352 -0.637,-31.352 J3.93@-0.607,-31.382
buck_h_ch_ctrl_a: J3.59 P5_ch_ctrl_a.3 | length 60.4
  Top Layer w0.305: P5_ch_ctrl_a.3@-46.905,-75.857 -45.296,-77.467 -39.97,-77.467 -7.625,-45.122 -6.855,-45.122 v2(-6.768,-45.034)
  Bottom Layer w0.305: v2(-6.768,-45.034) -6.739,-45.005 -0.63,-45.005 J3.59@-0.607,-44.982
buck_h_ch_ctrl_b: J3.64 P5_ch_ctrl_b.3 | length 64.2
  Top Layer w0.305: P5_ch_ctrl_b.3@-46.905,-14.857 -46.684,-15.078 -46.684,-16.184 -46.506,-16.362 -45.25,-16.362 -20.85,-40.762 -14.675,-40.762 -12.1,-43.337 v1(-9.85,-43.337)
  Int1 (GND) w0.305: v1(-9.85,-43.337) -9.755,-43.432 -9.003,-43.432 -8.84,-43.595 v2(2.153,-43.595)
  Bottom Layer w0.305: v2(2.153,-43.595) 2.287,-43.595 2.5,-43.382 J3.64@4.643,-43.382
buck_h_ch_ctrl_c: J3.50 P5_ch_ctrl_c.3 | length 127
  Top Layer w0.305: P5_ch_ctrl_c.3@-46.905,46.143 -46.905,45.867 -46.008,44.971 -46.008,-2.398 -35.923,-12.483 -35.875,-12.483 -21.294,-27.064 -21.294,-27.284 -12.49,-36.087 -11.009,-36.087 -8.918,-38.178 -8.918,-38.458 -1.38,-45.996 -1.355,-45.996 3.598,-50.949 6.779,-50.949 v2(7.911,-52.081)
  Bottom Layer w0.305: J3.50@4.643,-52.182 7.675,-52.182 7.777,-52.081 v2(7.911,-52.081)
buck_h_chd: J3.53 J8.22 | length 58.7
  Int1 (GND) w0.254: v1(-41.2,-30.644) -41.196,-30.641 -41.139,-30.698 -41.139,-37.275 v1(-41.079,-37.336)
  Bottom Layer w0.254: J8.22@-41.815,-24.931 -41.815,-29.779 -41.304,-30.29 -41.304,-30.54 v1(-41.2,-30.644) ; v1(-41.079,-37.336) -27.832,-50.582 J3.53@-0.607,-50.582
buck_h_che: J3.67 J8.26 | length 61.1
  Bottom Layer w0.254: J8.26@-45.557,-19.865 -45.655,-19.963 -45.655,-21.132 -47.025,-22.502 -47.025,-28.437 -33.7,-41.762 -0.627,-41.762 J3.67@-0.607,-41.782
buck_h_chf: J3.75 J8.30 | length 53.6
  Top Layer w0.254: v1(-40.118,-17.128) -40.118,-18.644 -20.025,-38.737 v1(-15.475,-38.737)
  Int1 (GND) w0.254: v1(-15.475,-38.737) -11.154,-38.737 -10.329,-39.562 -8.275,-39.562 -6.575,-37.862 v1(-2.9,-37.862)
  Bottom Layer w0.254: J8.30@-40.536,-19.821 -40.482,-19.768 -40.482,-17.599 -40.118,-17.235 v1(-40.118,-17.128) ; v1(-2.9,-37.862) -2.303,-38.459 -0.73,-38.459 J3.75@-0.607,-38.582
buck_l_ch_ctrl_a: J3.57 P5_ch_ctrl_a.5 | length 63.2
  Top Layer w0.305: P5_ch_ctrl_a.5@-49.445,-75.857 -47.124,-78.178 -38.896,-78.178 -6.53,-45.812 v2(-4.835,-45.812)
  Bottom Layer w0.305: v2(-4.835,-45.812) -4.82,-45.797 -0.622,-45.797 J3.57@-0.607,-45.782
buck_l_ch_ctrl_b: J3.62 P5_ch_ctrl_b.5 | length 73.3
  Top Layer w0.305: P5_ch_ctrl_b.5@-49.445,-14.857 -48.278,-13.69 -46.989,-13.604 cw(c-46.905,-14.857) -46.911,-13.601 -38.134,-13.556 -37.466,-13.556 -37.345,-13.601 -36.337,-13.601 -36.248,-13.69 -22.412,-27.527 -22.412,-28.023 -21.954,-28.481 -21.916,-28.481 -16.222,-34.174 -16.222,-34.699 -13.645,-37.276 -13.645,-37.35 v2(-10.907,-40.089)
  Int1 (GND) w0.305: v2(-10.907,-40.089) -9.24,-41.756 5.925,-41.756 v2(7.359,-43.19)
  Bottom Layer w0.305: J3.62@4.643,-44.182 4.741,-44.085 6.464,-44.085 v2(7.359,-43.19)
buck_l_ch_ctrl_c: J3.52 P5_ch_ctrl_c.5 | length 123.7
  Top Layer w0.305: P5_ch_ctrl_c.5@-49.445,46.143 -49.408,46.105 -49.408,44.835 -46.905,42.333 -46.905,-2.615 -46.905,-3.251 -37.114,-13.042 -36.106,-13.042 -21.853,-27.295 -21.853,-27.525 -9.739,-39.639 -9.655,-39.639 2.303,-51.597 v2(2.303,-52.498)
  Bottom Layer w0.305: v2(2.303,-52.498) 2.397,-52.404 2.397,-52.08 2.997,-51.48 4.546,-51.48 J3.52@4.643,-51.382
buck_l_chd: J3.55 J8.23 | length 57.9
  Int1 (GND) w0.254: v1(-42.952,-33.615) -42.864,-33.526 -42.864,-30.526 v1(-42.775,-30.437)
  Bottom Layer w0.254: J8.23@-43.046,-24.929 -43.046,-30.019 -42.775,-30.29 v1(-42.775,-30.437) ; v1(-42.952,-33.615) -26.784,-49.782 J3.55@-0.607,-49.782
buck_l_che: J3.69 J8.27 | length 61.1
  Bottom Layer w0.254: J8.27@-44.357,-19.859 -44.357,-22.013 -44.506,-22.161 -45.966,-22.161 -46.406,-22.601 -46.406,-26.573 -46.086,-26.893 -46.086,-28.451 -33.555,-40.982 J3.69@-0.607,-40.982
buck_l_chf: J3.77 J8.31 | length 61.5
  Int1 (GND) w0.254: v1(-38.846,-17.161) -38.811,-17.197 -38.811,-28.077 v1(-38.775,-28.112) ; v1(-15.25,-36.812) -15.25,-36.837 -13.925,-38.162 -10.77,-38.162 -10.145,-37.537 -8.45,-37.537 -7.994,-37.081 0.869,-37.081 v1(1.6,-37.812)
  Bottom Layer w0.254: J8.31@-39.257,-19.938 -39.257,-17.783 -39.13,-17.656 -39.13,-17.583 -38.846,-17.299 v1(-38.846,-17.161) ; v1(-38.775,-28.112) -30.075,-36.812 v1(-15.25,-36.812) ; J3.77@-0.607,-37.782 1.57,-37.782 v1(1.6,-37.812)
buck_state_ch_ctrl_a: J3.91 P5_ch_ctrl_a.7 | length 81.2
  Top Layer w0.254: P5_ch_ctrl_a.7@-51.985,-75.857 -50.676,-74.548 -50.676,-54.813 v2(-30.823,-34.96)
  Bottom Layer w0.254: v2(-30.823,-34.96) -28.003,-32.14 -6.757,-32.14 -6.6,-32.298 -5.532,-32.298 -5.486,-32.343 -5.304,-32.343 -5.284,-32.323 -5.005,-32.323 -4.864,-32.182 J3.91@-0.607,-32.182
buck_state_ch_ctrl_b: J4.3 P5_ch_ctrl_b.7 | length 59.9
  Top Layer w0.254: P5_ch_ctrl_b.7@-51.985,-14.857 -50.732,-13.604 -50.732,-11.864 -48.152,-9.284 v2(-42.427,-9.284) ; v2(-38.337,-8.928) -12.357,-8.928 -8.425,-4.996 -8.425,-4.481 v2(-4.388,-0.445)
  Bottom Layer w0.254: v2(-42.427,-9.284) -42.3,-9.411 -39.836,-9.411 -39.353,-8.928 v2(-38.337,-8.928) ; v2(-4.388,-0.445) -3.131,0.812 J4.3@0.013,0.812
buck_state_ch_ctrl_c: J4.36 P5_ch_ctrl_c.7 | length 70.7
  Top Layer w0.305: v2(-44.657,43.489) -20.587,19.418 -5.66,19.418 1.271,12.487 v2(2.14,12.487)
  Bottom Layer w0.305: P5_ch_ctrl_c.7@-51.985,46.143 -49.331,43.489 v2(-44.657,43.489) ; v2(2.14,12.487) 2.14,12.565 2.896,13.321 2.934,13.321 3.226,13.614 J4.36@4.273,13.614
buck_state_chd: J3.87 J8.25 | length 52.5
  Int1 (GND) w0.254: v1(-45.098,-28.335) -44.351,-29.081 -37.619,-29.081 -34.7,-26.162 -12.45,-26.162 -6.725,-31.887 -5,-31.887 v1(-3.2,-33.687)
  Bottom Layer w0.254: J8.25@-45.578,-25.172 -45.578,-27.855 v1(-45.098,-28.335) ; v1(-3.2,-33.687) -3.105,-33.782 J3.87@-0.607,-33.782
buck_state_che: J3.92 J8.28 | length 65.8
  Bottom Layer w0.254: J8.28@-43.071,-19.909 -43.071,-17.809 -40.257,-14.995 -24.062,-14.995 -23.285,-14.217 -19.985,-14.217 -18.79,-15.412 -6.761,-15.412 -2.896,-19.278 1.876,-19.278 2.661,-20.063 2.661,-29.287 2.705,-29.331 2.705,-30.399 2.661,-30.443 2.661,-32.034 2.81,-32.182 J3.92@4.643,-32.182
buck_state_chf: J3.95 J8.33 | length 44.4
  Int1 (GND) w0.254: v1(-36.314,-17.106) -28.474,-17.106 -28.082,-17.498 -20.389,-17.498 -13.581,-24.306 -9.156,-24.306 v1(-3.05,-30.412)
  Bottom Layer w0.254: J8.33@-36.783,-19.976 -36.672,-19.866 -36.672,-17.555 -36.314,-17.197 v1(-36.314,-17.106) ; v1(-3.05,-30.412) -2.965,-30.497 -0.692,-30.497 J3.95@-0.607,-30.582
GND: C12.1 C14.1 C19.1 C20.2 J3.46 J3.47 J3.83 J3.97 J3.111 J4.15 J4.37 J4.59 J5.3 J8.9 J8.10 J8.11 J8.12 J8.13 J8.14 J8.15 J8.16 J8.17 J8.18 J8.19 J8.20 J8.21 P1.7 P1.8 P1.9 P1.10 P2.1 P3.4 P4.4 P5_ch_ctrl_a.6 P5_ch_ctrl_a.8 P5_ch_ctrl_b.6 P5_ch_ctrl_b.8 P5_ch_ctrl_c.6 P5_ch_ctrl_c.8 P6_ch_ctrl_a.6 P6_ch_ctrl_a.8 P6_ch_ctrl_b.6 P6_ch_ctrl_b.8 P6_ch_ctrl_c.6 P6_ch_ctrl_c.8 P11_ch_ctrl_a.6 P11_ch_ctrl_a.8 P11_ch_ctrl_b.6 P11_ch_ctrl_b.8 P11_ch_ctrl_c.6 P11_ch_ctrl_c.8 R33.1 U5.1 | length 35.5
  Bottom Layer w0.305: v1(-3.15,-52.671) -2.838,-52.982 J3.47@-0.607,-52.982 -0.509,-53.08 1.068,-53.08 v1(2.075,-54.087) 2.209,-54.087 2.514,-53.782 J3.46@4.643,-53.782 ; v1(-3.039,-23.73) -3.039,-23.923 -2.775,-24.187 -2.77,-24.182 J3.111@-0.607,-24.182 ; v1(-1.966,14.472) -1.908,14.414 J4.37@0.013,14.414 J4.37@0.063,14.464 ; v1(-1.922,5.513) -0.675,5.513 -0.675,5.562 -0.624,5.613 J4.15@0.013,5.613 0.05,5.576 2.167,5.576 v1(2.204,5.539) ; J3.83@-0.607,-35.382 0.22,-35.382 0.225,-35.387 1.928,-35.387 v1(1.959,-35.356) ; J3.97@-0.607,-29.782 1.334,-29.782 v1(1.416,-29.865) ; v1(-0.075,24.313) -0.075,23.265 -0.024,23.215 J4.59@0.013,23.215 ; v2(8.945,-27.212) 8.945,-25.462 C20.2@8.969,-25.438 ; C14.1@13.55,-53.087 13.57,-53.107 v1(13.57,-54.626) ; v1(14.125,-49.987) 14.123,-49.987 13.627,-50.483 13.627,-50.96 C12.1@13.5,-51.087 13.627,-51.214 14.698,-51.214 v1(14.725,-51.187) ; P3.4@20.39,28.143 23.322,28.143 v1(23.4,28.065) ; P4.4@20.66,5.683 20.91,5.933 v1(23.665,5.933)
  other v1: -27.375,-28.862 -26.375,-28.862 -25.375,-28.862 -27.375,-27.862 -26.375,-27.862 -25.375,-27.862
  other v2: 15.075,-34.087 16.575,-34.087 17.575,-34.087 18.575,-34.087 16.575,-32.837 17.575,-32.837 18.575,-32.837 16.575,-31.837 17.575,-31.837 18.575,-31.837
gpioa: J4.23 P1.5 | length 12.5
  Bottom Layer w0.254: P1.5@-10.093,9.96 -10.051,9.919 -10.051,8.903 -8.315,7.166 -3.336,7.166 -1.689,8.813 J4.23@0.013,8.813
gpiob: J4.25 P1.3 | length 10.3
  Bottom Layer w0.254: P1.3@-7.553,9.96 -7.553,8.284 -6.943,7.674 -3.793,7.674 -1.854,9.614 J4.25@0.013,9.614
gpioc: J4.27 P1.1 | length 5.2
  Bottom Layer w0.254: P1.1@-5.013,9.96 -4.559,10.414 J4.27@0.013,10.414
gpiod: J4.29 P1.2 | length 5.6
  Bottom Layer w0.254: P1.2@-5.013,12.5 -3.726,11.214 J4.29@0.013,11.214
gpioe: J4.31 P1.4 | length 8.8
  Bottom Layer w0.254: P1.4@-7.553,12.5 -6.308,13.745 -3.819,13.745 -2.088,12.014 J4.31@0.013,12.014
gpiof: J4.33 P1.6 | length 11.6
  Bottom Layer w0.254: P1.6@-10.093,12.5 -8.137,14.456 -3.463,14.456 -1.821,12.813 J4.33@0.013,12.813
i_sense_isns1: R8.2 R15_isns1.1 U3_isns1.7 | length 79.7
  Bottom Layer w0.254: R8.2@14.662,-69.472 14.96,-69.77 25.43,-69.77 25.578,-69.919 25.578,-89.151 41.015,-104.587 48.886,-104.587 ; R15_isns1.1@48.962,-101.729 48.962,-104.511 48.886,-104.587 ; U3_isns1.7@63.007,-103.094 61.766,-101.853 61.27,-101.853 60.442,-102.681 60.115,-102.681 58.907,-101.473 58.576,-101.473 55.462,-104.587 48.886,-104.587
i_sense_isns2: R15_isns2.1 R24.2 U3_isns2.7 | length 96.2
  Bottom Layer w0.254: R24.2@13.875,-62.785 23.334,-62.785 31.438,-54.681 31.438,-32.64 34.678,-29.4 48.351,-29.4 54.381,-35.431 ; R15_isns2.1@61.845,-24.982 62.625,-25.763 62.625,-28.024 55.218,-35.431 54.381,-35.431 ; U3_isns2.7@63.007,-40.769 62.446,-40.208 62.446,-39.767 60.536,-37.858 59.428,-37.858 58.614,-38.671 57.622,-38.671 54.381,-35.431
i_sense_isns3: R15_isns3.1 R27.2 U3_isns3.7 | length 122.5
  Bottom Layer w0.254: R27.2@14.002,-58.544 23.004,-58.544 27.552,-53.995 27.552,-13.127 48.259,7.579 ; R15_isns3.1@35.54,9.141 35.54,9.091 35.838,8.793 35.888,8.793 37.102,7.579 48.259,7.579 ; U3_isns3.7@63.007,19.231 63.007,19.319 61.906,20.419 61.452,20.419 60.09,21.781 59.453,21.781 56.891,19.219 56.891,16.212 48.259,7.579
i_sense_peak_d: J6.5 R31.2 | length 41.8
  Int2 (PWR) w0.254: v1(-10.684,-65.897) -10.71,-65.922 -10.71,-68.756 v1(-5.878,-73.588)
  Bottom Layer w0.254: v1(-10.684,-65.897) -9.552,-65.897 -9.499,-65.949 R31.2@-9.329,-65.778 ; v1@-5.64,-73.722 -5.464,-73.898 12.236,-73.898 18.285,-79.947 J6.5@18.285,-84.127
i_sense_peak_e: J6.6 R30.2 | length 65.1
  Int2 (PWR) w0.254: v1(-15.775,-62.687) -11.439,-62.687 -11.077,-62.325 v1(-10.929,-62.325)
  Bottom Layer w0.254: v1(-15.775,-62.687) -16.575,-63.487 -16.575,-75.087 1.418,-93.08 15.733,-93.08 18.285,-90.527 J6.6@18.285,-88.191 ; v1(-10.929,-62.325) -10.825,-62.221 -10.508,-62.221 -10.475,-62.187 R30.2@-9.275,-62.187
i_sense_peak_f: J6.10 R32.2 | length 58.3
  Int2 (PWR) w0.254: v1(-15.275,-64.187) -11.239,-64.187 -10.977,-63.925 v1(-10.829,-63.925)
  Bottom Layer w0.254: v1(-15.275,-64.187) -15.275,-74.487 2.749,-92.512 13.852,-92.512 15.625,-90.739 15.625,-88.311 J6.10@15.745,-88.191 ; v1(-10.829,-63.925) -9.363,-63.925 R32.2@-9.325,-63.887 -9.325,-63.722 R32.2@-9.327,-63.72 ; R32.2@-9.375,-63.887 R32.2@-9.327,-63.887
input_relay: J4.41 P2.2 | length 54.1
  Top Layer w0.254: v1(-44.418,20.837) -38.239,20.837 -33.385,15.983 v1(-4.185,15.983)
  Bottom Layer w0.254: P2.2@-52.019,20.807 -52.003,20.822 -44.433,20.822 v1(-44.418,20.837) ; v1(-4.185,15.983) -4.12,15.918 -1.259,15.918 -1.238,15.938 -0.064,15.938 J4.41@0.013,16.015
input_relay_master: J4.7 J8.45 | length 37.6
  Top Layer w0.254: v1(-21.485,-13.317) v1(-21.485,-9.717) ; v1(-21.485,-7.817) -11.298,2.369 v1(-2.249,2.369)
  Int1 (GND) w0.254: v1(-21.485,-13.317) -21.485,-16.457 v1(-21.482,-16.454)
  Bottom Layer w0.254: J8.45@-21.525,-19.637 -21.503,-19.616 -21.503,-16.475 v1(-21.482,-16.454) ; v1(-21.485,-9.717) v1(-21.485,-7.817) ; v1(-2.249,2.369) -2.198,2.369 -2.155,2.413 J4.7@0.013,2.413
isense_cha: C15.2 J3.12 R8.1 | length 10.8
  Bottom Layer w0.254: J3.12@4.643,-67.382 6.664,-67.382 8.312,-69.03 8.362,-69.03 8.685,-69.353 8.685,-69.403 9.008,-69.726 9.008,-70.246 9.253,-70.491 12.386,-70.491 13.362,-69.516 R8.1@13.362,-69.466
isense_chb: C27.2 J3.24 R24.1 | length 9.7
  Bottom Layer w0.254: J3.24@4.643,-62.582 7.639,-62.582 7.817,-62.76 8.714,-62.76 8.946,-62.992 8.946,-63.492 9.233,-63.78 9.382,-63.928 12.158,-63.928 12.575,-63.512 R24.1@12.575,-62.785
isense_chc: C30.2 J3.34 R27.1 | length 9.4
  Bottom Layer w0.254: J3.34@4.643,-58.582 8.853,-58.582 8.867,-58.569 8.867,-58.619 9.386,-59.138 9.386,-59.353 9.643,-59.61 11.94,-59.61 12.658,-58.892 12.708,-58.892 13.006,-58.594 R27.1@13.006,-58.544
isense_chd: C16.2 J3.9 R18.1 | length 10.7
  Bottom Layer w0.254: R18.1@-8.025,-71.487 -8.025,-71.537 -6.975,-72.587 -4.775,-72.587 -4.375,-72.187 -4.375,-71.562 -4.3,-71.487 -4.3,-71.437 -3.977,-71.114 -3.296,-71.114 -3.147,-70.966 -3.147,-69.98 -2.614,-69.447 -2.614,-68.454 -2.465,-68.305 -1.379,-68.305 J3.9@-1.188,-68.114
isense_chd_in: J6.11 R18.2 | length 31.9
  Bottom Layer w0.254: R18.2@-9.325,-71.305 R18.2@-9.325,-71.487 -9.325,-72.737 -4.775,-77.287 11.425,-77.287 14.442,-80.304 J6.11@14.442,-83.829